# Altium PCB TEBF0808ASCII.PcbDoc (part 3 of 10)
Units mm, origin at the board's own origin, x right, y up, seen from the top; angles counter-clockwise.
Board outline 170 x 170 mm, 16 copper layers (L 01, L 02 G, L 03 S, L 04 G, L 05 S, L 06 G, L 07 P, L 08 P, L 09 P, L 10 P, L 11 G, L 12 S, L 13 G, L 14 S, L 15 G, L 16), stack 1.774 mm thick; 609 components, 869 nets, 3941 pads, 2358 vias.
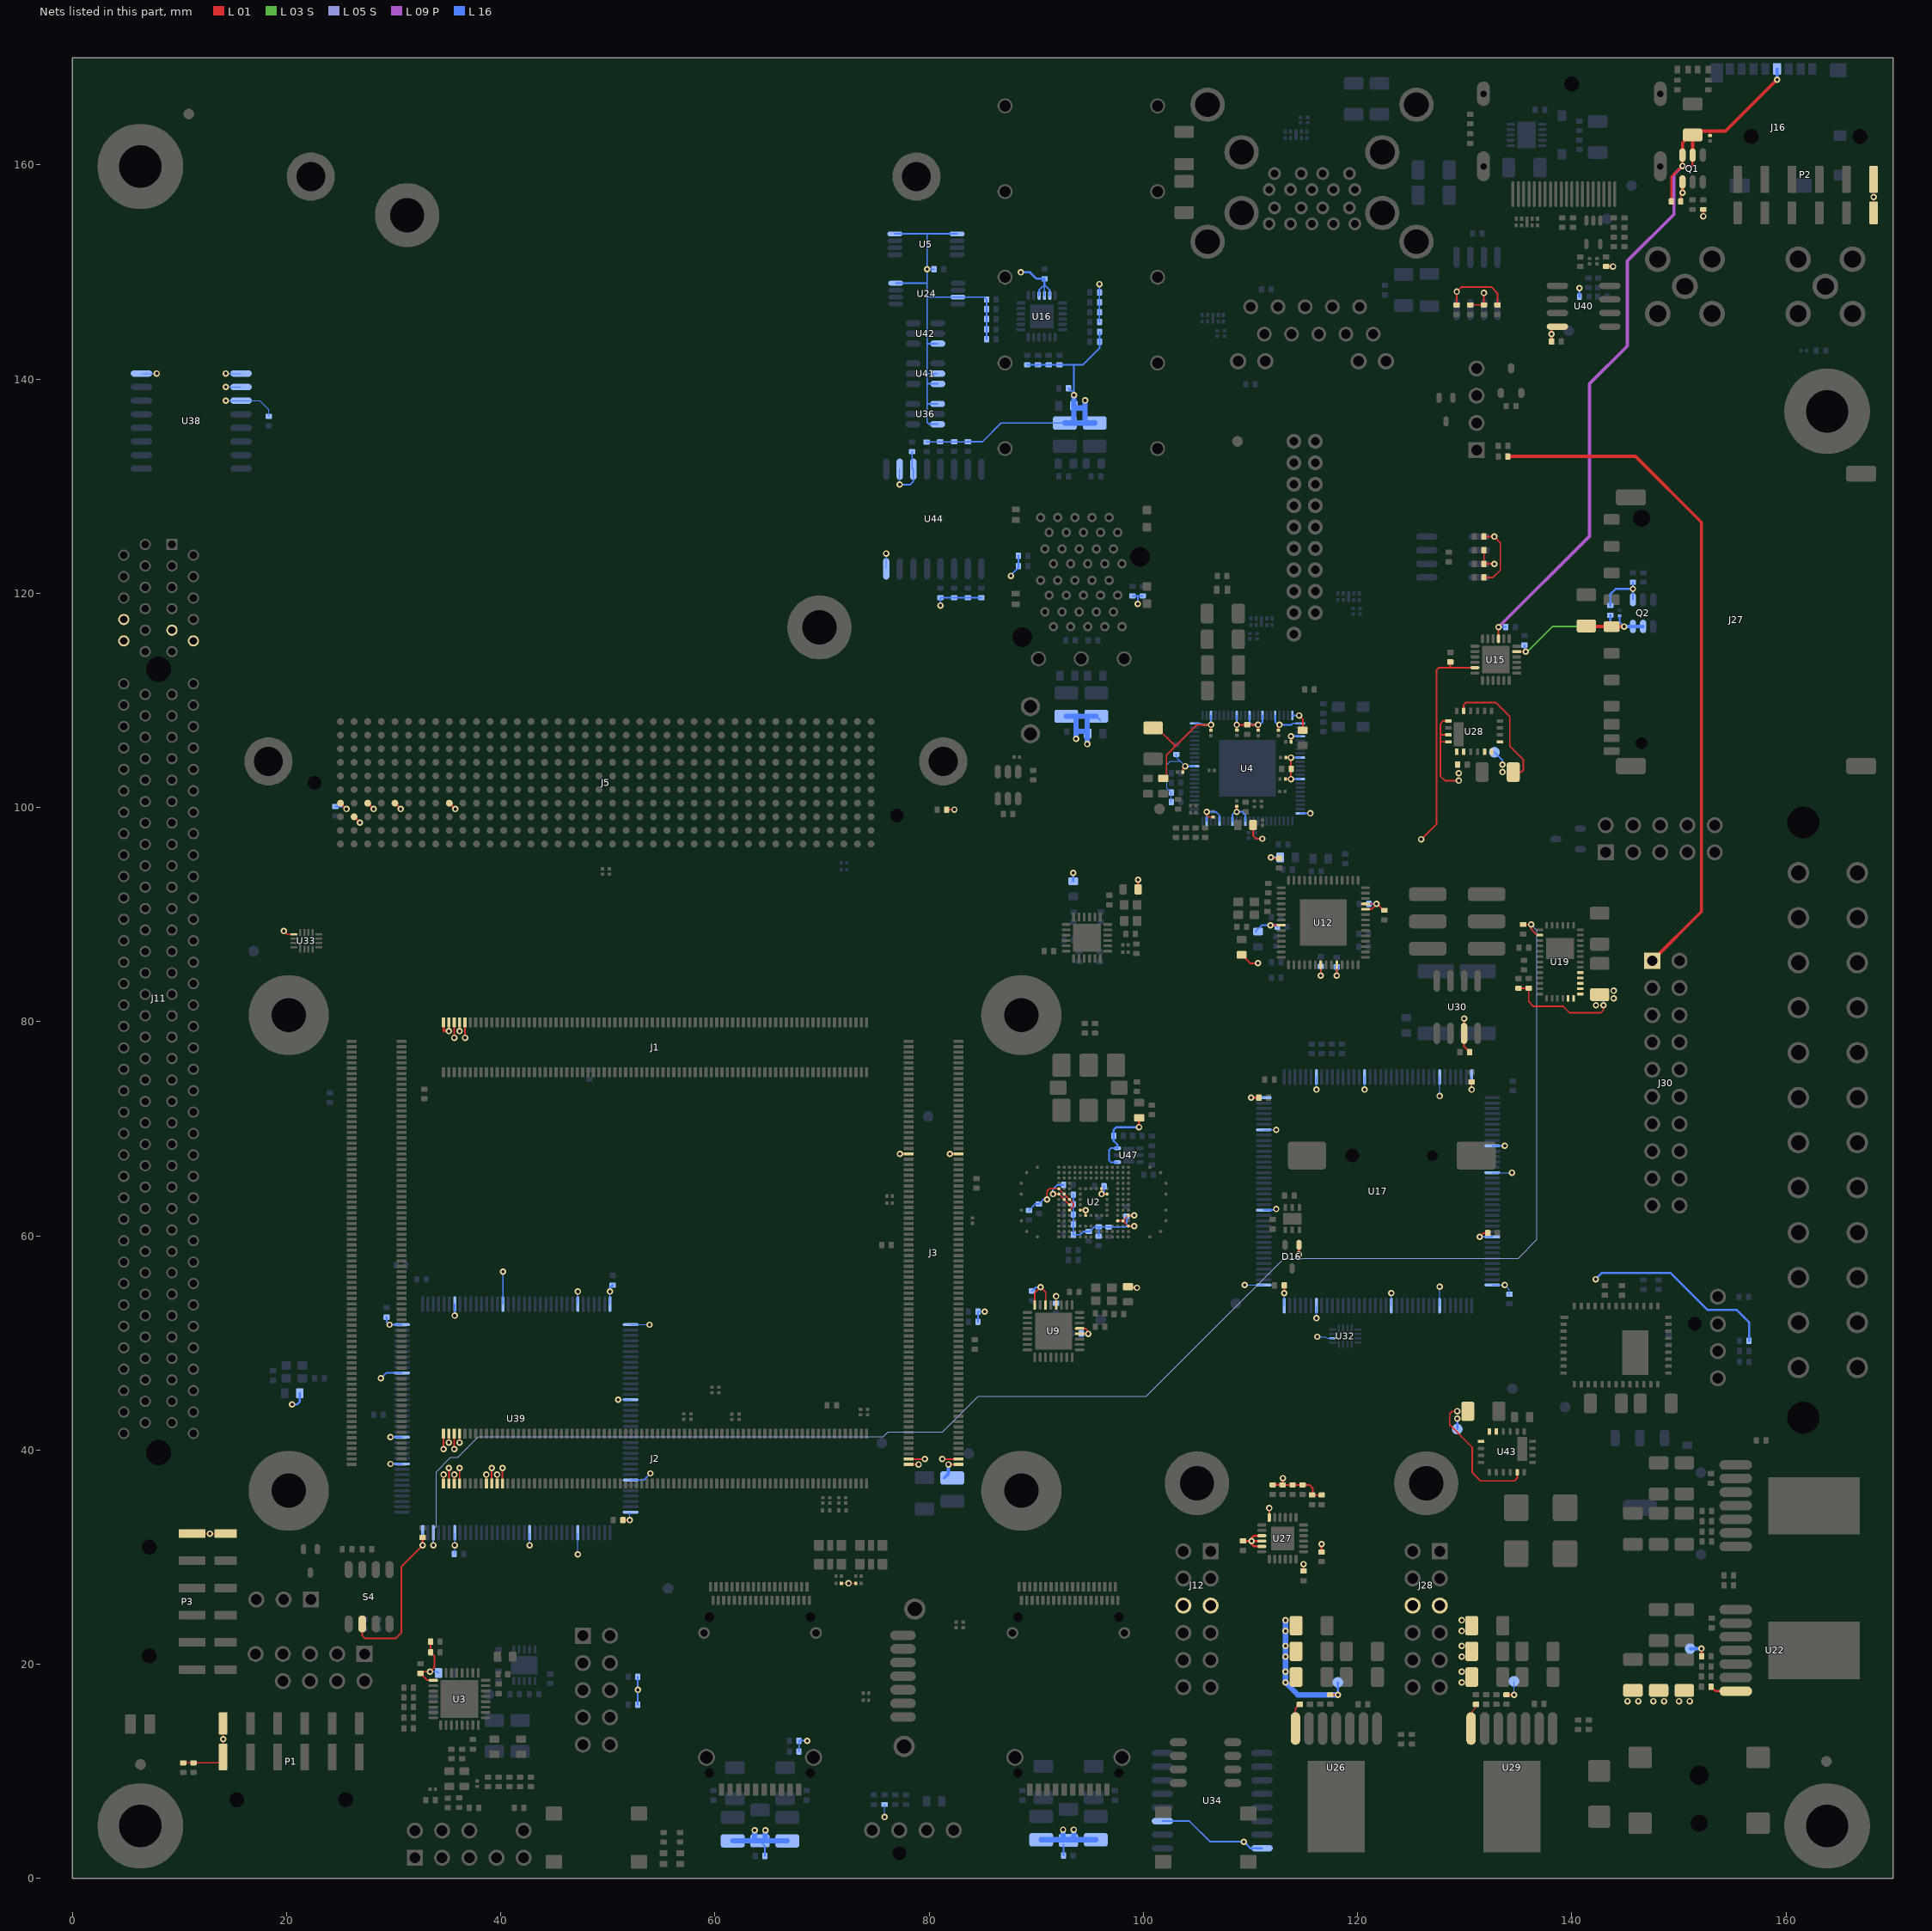
[diagram p13: the nets of this part, all layers, seen from the top]

## Footprints (in the part's own frame and the unit in brackets; to place one, negate y for a bottom-side part, rotate by r counter-clockwise, add the part's x,y. Pads: shape width x height; smd on the part's side, far side on the other; paste and mask are expansions set on the pad) (continued)
QFN40P10X10X1-89T530 [mm] "Quad Flat No-Lead (QFN with Tab), 0.40 mm pitch; square, 22 pin X 22 pin, 10.00 mm L X 10.00 mm W X 1.00 mm H body"
  rrect33% 0.86x0.22 smd: 1(-4.935,4.2) 2(-4.935,3.8) 3(-4.935,3.4) 4(-4.935,3) 5(-4.935,2.6) 6(-4.935,2.2) 7(-4.935,1.8) 8(-4.935,1.4) 9(-4.935,1) 10(-4.935,0.6) 11(-4.935,0.2) 12(-4.935,-0.2) 13(-4.935,-0.6) 14(-4.935,-1) 15(-4.935,-1.4) 16(-4.935,-1.8) 17(-4.935,-2.2) 18(-4.935,-2.6) 19(-4.935,-3) 20(-4.935,-3.4) 21(-4.935,-3.8) 22(-4.935,-4.2) 45(4.935,-4.2) 46(4.935,-3.8) 47(4.935,-3.4) 48(4.935,-3) 49(4.935,-2.6) 50(4.935,-2.2) 51(4.935,-1.8) 52(4.935,-1.4) 53(4.935,-1) 54(4.935,-0.6) 55(4.935,-0.2) 56(4.935,0.2) 57(4.935,0.6) 58(4.935,1) 59(4.935,1.4) 60(4.935,1.8) 61(4.935,2.2) 62(4.935,2.6) 63(4.935,3) 64(4.935,3.4) 65(4.935,3.8) 66(4.935,4.2)
  rrect33% 0.22x0.86 smd: 23(-4.2,-4.935) 24(-3.8,-4.935) 25(-3.4,-4.935) 26(-3,-4.935) 27(-2.6,-4.935) 28(-2.2,-4.935) 29(-1.8,-4.935) 30(-1.4,-4.935) 31(-1,-4.935) 32(-0.6,-4.935) 33(-0.2,-4.935) 34(0.2,-4.935) 35(0.6,-4.935) 36(1,-4.935) 37(1.4,-4.935) 38(1.8,-4.935) 39(2.2,-4.935) 40(2.6,-4.935) 41(3,-4.935) 42(3.4,-4.935) 43(3.8,-4.935) 44(4.2,-4.935) 67(4.2,4.935) 68(3.8,4.935) 69(3.4,4.935) 70(3,4.935) 71(2.6,4.935) 72(2.2,4.935) 73(1.8,4.935) 74(1.4,4.935) 75(1,4.935) 76(0.6,4.935) 77(0.2,4.935) 78(-0.2,4.935) 79(-0.6,4.935) 80(-1,4.935) 81(-1.4,4.935) 82(-1.8,4.935) 83(-2.2,4.935) 84(-2.6,4.935) 85(-3,4.935) 86(-3.4,4.935) 87(-3.8,4.935) 88(-4.2,4.935)
  rect 5.3x5.3 smd paste-5.3 mask+0: 89(0,0)
  silkscreen extent -5.5,-5.05 5.05,5.05
QFN40P260X180X55-16N [mm]
  rrect20% 0.75x0.2 smd: 1(-0.725,0.6)
  rrect20% 0.65x0.2 smd: 2(-0.775,0.2) 3(-0.775,-0.2) 4(-0.775,-0.6) 9(0.775,-0.6) 10(0.775,-0.2) 11(0.775,0.2) 12(0.775,0.6)
  rrect20% 0.2x0.65 smd: 5(-0.6,-1.175) 6(-0.2,-1.175) 7(0.2,-1.175) 8(0.6,-1.175) 13(0.6,1.175) 14(0.2,1.175) 15(-0.2,1.175) 16(-0.6,1.175)
  silkscreen extent -1.4,-1.3 0.9,1.3
QFN50P400X400X80-25N-255 [mm] "QFN, 24-Leads, Body 4,1x4,1mm (max), Pitch 0,50mm, IPC Medium Density"
  oval 0.85x0.3 smd: 1(-1.95,1.25) 2(-1.95,0.75) 3(-1.95,0.25) 4(-1.95,-0.25) 5(-1.95,-0.75) 6(-1.95,-1.25) 13(1.95,-1.25) 14(1.95,-0.75) 15(1.95,-0.25) 16(1.95,0.25) 17(1.95,0.75) 18(1.95,1.25)
  oval 0.3x0.85 smd: 7(-1.25,-1.95) 8(-0.75,-1.95) 9(-0.25,-1.95) 10(0.25,-1.95) 11(0.75,-1.95) 12(1.25,-1.95) 19(1.25,1.95) 20(0.75,1.95) 21(0.25,1.95) 22(-0.25,1.95) 23(-0.75,1.95) 24(-1.25,1.95)
  rect 2.55x2.55 smd: 25(0,0)
  silkscreen extent -2.55,-2.05 2.05,2.05
QFN50P400X400X90-25N [mm]
  oval 0.83x0.26 smd: 1(-1.94,1.25) 2(-1.94,0.75) 3(-1.94,0.25) 4(-1.94,-0.25) 5(-1.94,-0.75) 6(-1.94,-1.25) 13(1.94,-1.25) 14(1.94,-0.75) 15(1.94,-0.25) 16(1.94,0.25) 17(1.94,0.75) 18(1.94,1.25)
  oval 0.26x0.83 smd: 7(-1.25,-1.94) 8(-0.75,-1.94) 9(-0.25,-1.94) 10(0.25,-1.94) 11(0.75,-1.94) 12(1.25,-1.94) 19(1.25,1.94) 20(0.75,1.94) 21(0.25,1.94) 22(-0.25,1.94) 23(-0.75,1.94) 24(-1.25,1.94)
  rect 2.6x2.6 smd: 25(0,0)
  silkscreen extent -2.45,-2.06 2.06,2.06
QFN50P400X400X100-25N-220 [mm]
  oval 0.85x0.3 smd: 1(-1.95,1.25) 2(-1.95,0.75) 3(-1.95,0.25) 4(-1.95,-0.25) 5(-1.95,-0.75) 6(-1.95,-1.25) 13(1.95,-1.25) 14(1.95,-0.75) 15(1.95,-0.25) 16(1.95,0.25) 17(1.95,0.75) 18(1.95,1.25)
  oval 0.3x0.85 smd: 7(-1.25,-1.95) 8(-0.75,-1.95) 9(-0.25,-1.95) 10(0.25,-1.95) 11(0.75,-1.95) 12(1.25,-1.95) 19(1.25,1.95) 20(0.75,1.95) 21(0.25,1.95) 22(-0.25,1.95) 23(-0.75,1.95) 24(-1.25,1.95)
  rect 2.2x2.2 smd: 25(0,0)
  silkscreen extent -2.45,-2 2,2
QFN50P500X500X100-33N [mm]
  oval 0.9x0.26 smd: 1(-2.44,1.75) 2(-2.44,1.25) 3(-2.44,0.75) 4(-2.44,0.25) 5(-2.44,-0.25) 6(-2.44,-0.75) 7(-2.44,-1.25) 8(-2.44,-1.75) 17(2.44,-1.75) 18(2.44,-1.25) 19(2.44,-0.75) 20(2.44,-0.25) 21(2.44,0.25) 22(2.44,0.75) 23(2.44,1.25) 24(2.44,1.75)
  oval 0.26x0.9 smd: 9(-1.75,-2.44) 10(-1.25,-2.44) 11(-0.75,-2.44) 12(-0.25,-2.44) 13(0.25,-2.44) 14(0.75,-2.44) 15(1.25,-2.44) 16(1.75,-2.44) 25(1.75,2.44) 26(1.25,2.44) 27(0.75,2.44) 28(0.25,2.44) 29(-0.25,2.44) 30(-0.75,2.44) 31(-1.25,2.44) 32(-1.75,2.44)
  rect 3.55x3.55 smd: 33(0,0)
  silkscreen extent -2.99,-2.64 2.64,2.63
QFN50P500X500X100-33N-345 [mm]
  oval 0.9x0.26 smd: 1(-2.44,1.75) 2(-2.44,1.25) 3(-2.44,0.75) 4(-2.44,0.25) 5(-2.44,-0.25) 6(-2.44,-0.75) 7(-2.44,-1.25) 8(-2.44,-1.75) 17(2.44,-1.75) 18(2.44,-1.25) 19(2.44,-0.75) 20(2.44,-0.25) 21(2.44,0.25) 22(2.44,0.75) 23(2.44,1.25) 24(2.44,1.75)
  oval 0.26x0.9 smd: 9(-1.75,-2.44) 10(-1.25,-2.44) 11(-0.75,-2.44) 12(-0.25,-2.44) 13(0.25,-2.44) 14(0.75,-2.44) 15(1.25,-2.44) 16(1.75,-2.44) 25(1.75,2.44) 26(1.25,2.44) 27(0.75,2.44) 28(0.25,2.44) 29(-0.25,2.44) 30(-0.75,2.44) 31(-1.25,2.44) 32(-1.75,2.44)
  rect 3.45x3.45 smd: 33(0,0)
  silkscreen extent -2.99,-2.64 2.64,2.64
QFN50P800X800X100-57N [mm]
  oval 0.84x0.26 smd: 1(-3.94,3.25) 2(-3.94,2.75) 3(-3.94,2.25) 4(-3.94,1.75) 5(-3.94,1.25) 6(-3.94,0.75) 7(-3.94,0.25) 8(-3.94,-0.25) 9(-3.94,-0.75) 10(-3.94,-1.25) 11(-3.94,-1.75) 12(-3.94,-2.25) 13(-3.94,-2.75) 14(-3.94,-3.25) 29(3.94,-3.25) 30(3.94,-2.75) 31(3.94,-2.25) 32(3.94,-1.75) 33(3.94,-1.25) 34(3.94,-0.75) 35(3.94,-0.25) 36(3.94,0.25) 37(3.94,0.75) 38(3.94,1.25) 39(3.94,1.75) 40(3.94,2.25) 41(3.94,2.75) 42(3.94,3.25)
  oval 0.26x0.84 smd: 15(-3.25,-3.94) 16(-2.75,-3.94) 17(-2.25,-3.94) 18(-1.75,-3.94) 19(-1.25,-3.94) 20(-0.75,-3.94) 21(-0.25,-3.94) 22(0.25,-3.94) 23(0.75,-3.94) 24(1.25,-3.94) 25(1.75,-3.94) 26(2.25,-3.94) 27(2.75,-3.94) 28(3.25,-3.94) 43(3.25,3.94) 44(2.75,3.94) 45(2.25,3.94) 46(1.75,3.94) 47(1.25,3.94) 48(0.75,3.94) 49(0.25,3.94) 50(-0.25,3.94) 51(-0.75,3.94) 52(-1.25,3.94) 53(-1.75,3.94) 54(-2.25,3.94) 55(-2.75,3.94) 56(-3.25,3.94)
  rect 4.37x4.37 smd: 57(0,0)
  silkscreen extent -4.6,-4.06 4.06,4.06
QFP50P2200X2200X160-144N [mm]
  oval 1.47x0.28 smd: 1(-10.67,8.75) 2(-10.67,8.25) 3(-10.67,7.75) 4(-10.67,7.25) 5(-10.67,6.75) 6(-10.67,6.25) 7(-10.67,5.75) 8(-10.67,5.25) 9(-10.67,4.75) 10(-10.67,4.25) 11(-10.67,3.75) 12(-10.67,3.25) 13(-10.67,2.75) 14(-10.67,2.25) 15(-10.67,1.75) 16(-10.67,1.25) 17(-10.67,0.75) 18(-10.67,0.25) 19(-10.67,-0.25) 20(-10.67,-0.75) 21(-10.67,-1.25) 22(-10.67,-1.75) 23(-10.67,-2.25) 24(-10.67,-2.75) 25(-10.67,-3.25) 26(-10.67,-3.75) 27(-10.67,-4.25) 28(-10.67,-4.75) 29(-10.67,-5.25) 30(-10.67,-5.75) 31(-10.67,-6.25) 32(-10.67,-6.75) 33(-10.67,-7.25) 34(-10.67,-7.75) 35(-10.67,-8.25) 36(-10.67,-8.75) 73(10.67,-8.75) 74(10.67,-8.25) 75(10.67,-7.75) 76(10.67,-7.25) 77(10.67,-6.75) 78(10.67,-6.25) 79(10.67,-5.75) 80(10.67,-5.25) 81(10.67,-4.75) 82(10.67,-4.25) 83(10.67,-3.75) 84(10.67,-3.25) 85(10.67,-2.75) 86(10.67,-2.25) 87(10.67,-1.75) 88(10.67,-1.25) 89(10.67,-0.75) 90(10.67,-0.25) 91(10.67,0.25) 92(10.67,0.75) 93(10.67,1.25) 94(10.67,1.75) 95(10.67,2.25) 96(10.67,2.75) 97(10.67,3.25) 98(10.67,3.75) 99(10.67,4.25) 100(10.67,4.75) 101(10.67,5.25) 102(10.67,5.75) 103(10.67,6.25) 104(10.67,6.75) 105(10.67,7.25) 106(10.67,7.75) 107(10.67,8.25) 108(10.67,8.75)
  oval 0.28x1.47 smd: 37(-8.75,-10.67) 38(-8.25,-10.67) 39(-7.75,-10.67) 40(-7.25,-10.67) 41(-6.75,-10.67) 42(-6.25,-10.67) 43(-5.75,-10.67) 44(-5.25,-10.67) 45(-4.75,-10.67) 46(-4.25,-10.67) 47(-3.75,-10.67) 48(-3.25,-10.67) 49(-2.75,-10.67) 50(-2.25,-10.67) 51(-1.75,-10.67) 52(-1.25,-10.67) 53(-0.75,-10.67) 54(-0.25,-10.67) 55(0.25,-10.67) 56(0.75,-10.67) 57(1.25,-10.67) 58(1.75,-10.67) 59(2.25,-10.67) 60(2.75,-10.67) 61(3.25,-10.67) 62(3.75,-10.67) 63(4.25,-10.67) 64(4.75,-10.67) 65(5.25,-10.67) 66(5.75,-10.67) 67(6.25,-10.67) 68(6.75,-10.67) 69(7.25,-10.67) 70(7.75,-10.67) 71(8.25,-10.67) 72(8.75,-10.67) 109(8.75,10.67) 110(8.25,10.67) 111(7.75,10.67) 112(7.25,10.67) 113(6.75,10.67) 114(6.25,10.67) 115(5.75,10.67) 116(5.25,10.67) 117(4.75,10.67) 118(4.25,10.67) 119(3.75,10.67) 120(3.25,10.67) 121(2.75,10.67) 122(2.25,10.67) 123(1.75,10.67) 124(1.25,10.67) 125(0.75,10.67) 126(0.25,10.67) 127(-0.25,10.67) 128(-0.75,10.67) 129(-1.25,10.67) 130(-1.75,10.67) 131(-2.25,10.67) 132(-2.75,10.67) 133(-3.25,10.67) 134(-3.75,10.67) 135(-4.25,10.67) 136(-4.75,10.67) 137(-5.25,10.67) 138(-5.75,10.67) 139(-6.25,10.67) 140(-6.75,10.67) 141(-7.25,10.67) 142(-7.75,10.67) 143(-8.25,10.67) 144(-8.75,10.67)
  silkscreen extent -10.8,-10 10,10.8
RESC0603X26N [mm]
  rrect33% 0.32x0.4 smd: 1(-0.33,0) 2(0.33,0)
RESC1005X40N [mm] "Vishay D0402 1 x 0.5mm (+/- 0.05), 0.2mm +/-0.1mm Kontakte"
  rrect33% 0.48x0.6 smd: 1(-0.445,0) 2(0.445,0)
RESC3216X65N [mm] "Vishay D1206 3.2 x 1.6 (+/- 0.15), 0.2mm - 0.6mm Kontakte"
  rrect20% 1.1x1.8 smd: 1(-1.5,0) 2(1.5,0)
  silkscreen extent -0.55,-0.9 0.55,0.9
RESC6332X80N [mm]
  rrect20% 1.3x3.35 smd: 1(-2.9,0) 2(2.9,0)
  silkscreen extent -2.07,-1.7 2.07,1.7
SDA-44206-0001 [mm]
  round 2 hole 1.4: 1(23.1,-2.75) 2(18.9,-2.75) 3(14.7,-2.75) 4(10.5,-2.75) 5(6.3,-2.75) 6(2.1,-2.75) 7(-2.1,-2.75) 8(-6.3,-2.75) 9(-10.5,-2.75) 10(-14.7,-2.75) 11(-18.9,-2.75) 12(-23.1,-2.75) 13(23.1,2.75) 14(18.9,2.75) 15(14.7,2.75) 16(10.5,2.75) 17(6.3,2.75) 18(2.1,2.75) 19(-2.1,2.75) 20(-6.3,2.75) 21(-10.5,2.75) 22(-14.7,2.75) 23(-18.9,2.75) 24(-23.1,2.75)
  round 0 hole 3 unplated: PEG1(-27.8,2.29) PEG2(27.8,2.29)
  silkscreen extent -25.8,-5 27.7,4.6
Serial_6.3x6.3mm [mm]
  silkscreen extent -3.3,-3.3 3.3,3.3
SMA-R125426000 [mm] "SMA Straight Socket"
  round 2.4 hole 1.6: 1(0,0) 2(-2.54,2.54) 3(-2.54,-2.54) 4(2.54,-2.54) 5(2.54,2.54)
  silkscreen extent -3.5,-3.5 3.5,3.5
SMD-254-9132-14-6 [mm]
  rrect50% 1.3x3.5 smd: 1(-2.54,-2.75) 2(-2.54,2.75) 3(0,-2.75) 4(0,2.75) 5(2.54,-2.75) 6(2.54,2.75)
  silkscreen extent -3.95,-3.9 3.81,2.5
SOD3816X120N [mm]
  rrect20% 1x0.8 smd: 1(-1.8,0) 2(1.8,0)
  silkscreen extent -2,-0.9 1.43,1
SOIC127P600X175-8N [mm] "SOIC, 8-Leads, Body 5,0x4,0mm (max), Pitch 1,27mm, IPC Medium Density"
  oval 2x0.6 smd: 1(-2.45,1.905) 2(-2.45,0.635) 3(-2.45,-0.635) 4(-2.45,-1.905) 5(2.45,-1.905) 6(2.45,-0.635) 7(2.45,0.635) 8(2.45,1.905)
  silkscreen extent -2.57,-2.5 1,2.78
SOIC127P1030X265-16N [mm]
  oval 2x0.6 smd: 1(-4.65,4.445) 2(-4.65,3.175) 3(-4.65,1.905) 4(-4.65,0.635) 5(-4.65,-0.635) 6(-4.65,-1.905) 7(-4.65,-3.175) 8(-4.65,-4.445) 9(4.65,-4.445) 10(4.65,-3.175) 11(4.65,-1.905) 12(4.65,-0.635) 13(4.65,0.635) 14(4.65,1.905) 15(4.65,3.175) 16(4.65,4.445)
  silkscreen extent -4.85,-5.25 3.5,5.49
SON50P300X300X100-11N-TI [mm]
  oval 0.79x0.26 smd: 1(-1.47,1) 2(-1.47,0.5) 3(-1.47,0) 4(-1.47,-0.5) 5(-1.47,-1) 6(1.47,-1) 7(1.47,-0.5) 8(1.47,0) 9(1.47,0.5) 10(1.47,1)
  rect 1.75x2.5 smd: 11(0,0)
  silkscreen extent -2,-1.61 1.61,1.61
SON65P200X200X80-7N [mm]
  rrect20% 0.61x0.32 smd: 1(-1.055,0.65) 2(-1.055,0) 3(-1.055,-0.65) 4(1.055,-0.65) 5(1.055,0) 6(1.055,0.65)
  rect 1.1x1.7 smd: 7(0,0)
  silkscreen extent -1.42,-1.11 0.99,1.2
SON65P200X210X80-7N-TI [mm] "SOJ, 6-Leads, Body 1,1x2,1mm (max), Pitch 0,65mm, IPC Low Density"
  oval 0.7x0.35 smd: 1(-1.05,0.65) 2(-1.05,0) 3(-1.05,-0.65) 4(1.05,-0.65) 5(1.05,0) 6(1.05,0.65)
  rect 1x1.6 smd: 7(0,0)
  silkscreen extent -1.44,-1.05 1,1.21
SOP65P640X120-8N-MC [mm]
  oval 1.4x0.45 smd: 1(-2.9,0.975) 2(-2.9,0.325) 3(-2.9,-0.325) 4(-2.9,-0.975) 5(2.9,-0.975) 6(2.9,-0.325) 7(2.9,0.325) 8(2.9,0.975)
  silkscreen extent -3.03,-1.55 1.8,1.77
SOT65P210X110-3N [mm] "SOT23, 3-Leads, Body 2,2x2,4mm (max), Pitch 0,65mm, IPC Medium Density"
  oval 0.95x0.5 smd: 1(-1.1,0.65) 2(-1.1,-0.65) 3(1.1,0)
  silkscreen extent -1.22,-1.1 0.67,1.38
SOT65P210X110-5N [mm]
  oval 0.95x0.4 smd: 1(-1.1,0.65) 2(-1.1,0) 3(-1.1,-0.65) 4(1.1,-0.65) 5(1.1,0.65)
  silkscreen extent -1.25,-1.1 0.25,1.25
SOT95P230X109-3N [mm] "SOT23, 3-Leads, Body 3,0x2,5mm (max), Pitch 0,95mm, IPC Medium Density"
  oval 0.95x0.6 smd: 1(-1.15,0.95) 2(-1.15,-0.95) 3(1.15,0)
  silkscreen extent -1.27,-1.5 0.3,1.75
SOT95P237X112-3N [mm]
  oval 1.05x0.6 smd: 1(-1.15,0.95) 2(-1.15,-0.95) 3(1.15,0)
  silkscreen extent -1.28,-1.5 0.7,1.75
SOT95P280X110-6N [mm]
  oval 1.25x0.59 smd: 1(-1.255,0.95) 2(-1.255,0) 3(-1.255,-0.95) 4(1.255,-0.95) 5(1.255,0) 6(1.255,0.95)
  silkscreen extent -1.41,-1.53 0.87,1.9
SOT95P280X145-6N [mm]
  oval 1.4x0.6 smd: 1(-1.15,0.95) 2(-1.15,0) 3(-1.15,-0.95) 4(1.15,-0.95) 5(1.15,0) 6(1.15,0.95)
  silkscreen extent -1.5,-1.53 0.87,1.8
SOT230P700X180-4N [mm] "SOT223, 4-Leads, Body 6,7x7,3mm (max), Pitch 2,30mm, IPC Medium Density"
  rrect50% 1.51x0.89 smd: 1(-3.25,2.3) 2(-3.25,0) 3(-3.25,-2.3)
  rrect50% 1.51x3.19 smd: 4(3.25,0)
  silkscreen extent -3.45,-3.35 1.85,3.45
SS5-80-3.50-L-D-K-TR [mm]
  rrect20% 0.3x0.93 smd mask+0: 1(-19.75,-2.335) 2(-19.75,2.335) 3(-19.25,-2.335) 4(-19.25,2.335) 5(-18.75,-2.335) 6(-18.75,2.335) 7(-18.25,-2.335) 8(-18.25,2.335) 9(-17.75,-2.335) 10(-17.75,2.335) 11(-17.25,-2.335) 12(-17.25,2.335) 13(-16.75,-2.335) 14(-16.75,2.335) 15(-16.25,-2.335) 16(-16.25,2.335) 17(-15.75,-2.335) 18(-15.75,2.335) 19(-15.25,-2.335) 20(-15.25,2.335) 21(-14.75,-2.335) 22(-14.75,2.335) 23(-14.25,-2.335) 24(-14.25,2.335) 25(-13.75,-2.335) 26(-13.75,2.335) 27(-13.25,-2.335) 28(-13.25,2.335) 29(-12.75,-2.335) 30(-12.75,2.335) 31(-12.25,-2.335) 32(-12.25,2.335) 33(-11.75,-2.335) 34(-11.75,2.335) 35(-11.25,-2.335) 36(-11.25,2.335) 37(-10.75,-2.335) 38(-10.75,2.335) 39(-10.25,-2.335) 40(-10.25,2.335) 41(-9.75,-2.335) 42(-9.75,2.335) 43(-9.25,-2.335) 44(-9.25,2.335) 45(-8.75,-2.335) 46(-8.75,2.335) 47(-8.25,-2.335) 48(-8.25,2.335) 49(-7.75,-2.335) 50(-7.75,2.335) 51(-7.25,-2.335) 52(-7.25,2.335) 53(-6.75,-2.335) 54(-6.75,2.335) 55(-6.25,-2.335) 56(-6.25,2.335) 57(-5.75,-2.335) 58(-5.75,2.335) 59(-5.25,-2.335) 60(-5.25,2.335) 61(-4.75,-2.335) 62(-4.75,2.335) 63(-4.25,-2.335) 64(-4.25,2.335) 65(-3.75,-2.335) 66(-3.75,2.335) 67(-3.25,-2.335) 68(-3.25,2.335) 69(-2.75,-2.335) 70(-2.75,2.335) 71(-2.25,-2.335) 72(-2.25,2.335) 73(-1.75,-2.335) 74(-1.75,2.335) 75(-1.25,-2.335) 76(-1.25,2.335) 77(-0.75,-2.335) 78(-0.75,2.335) 79(-0.25,-2.335) 80(-0.25,2.335) 81(0.25,-2.335) 82(0.25,2.335) 83(0.75,-2.335) 84(0.75,2.335) 85(1.25,-2.335) 86(1.25,2.335) 87(1.75,-2.335) 88(1.75,2.335) 89(2.25,-2.335) 90(2.25,2.335) 91(2.75,-2.335) 92(2.75,2.335) 93(3.25,-2.335) 94(3.25,2.335) 95(3.75,-2.335) 96(3.75,2.335) 97(4.25,-2.335) 98(4.25,2.335) 99(4.75,-2.335) 100(4.75,2.335) 101(5.25,-2.335) 102(5.25,2.335) 103(5.75,-2.335) 104(5.75,2.335) 105(6.25,-2.335) 106(6.25,2.335) 107(6.75,-2.335) 108(6.75,2.335) 109(7.25,-2.335) 110(7.25,2.335) 111(7.75,-2.335) 112(7.75,2.335) 113(8.25,-2.335) 114(8.25,2.335) 115(8.75,-2.335) 116(8.75,2.335) 117(9.25,-2.335) 118(9.25,2.335) 119(9.75,-2.335) 120(9.75,2.335) 121(10.25,-2.335) 122(10.25,2.335) 123(10.75,-2.335) 124(10.75,2.335) 125(11.25,-2.335) 126(11.25,2.335) 127(11.75,-2.335) 128(11.75,2.335) 129(12.25,-2.335) 130(12.25,2.335) 131(12.75,-2.335) 132(12.75,2.335) 133(13.25,-2.335) 134(13.25,2.335) 135(13.75,-2.335) 136(13.75,2.335) 137(14.25,-2.335) 138(14.25,2.335) 139(14.75,-2.335) 140(14.75,2.335) 141(15.25,-2.335) 142(15.25,2.335) 143(15.75,-2.335) 144(15.75,2.335) 145(16.25,-2.335) 146(16.25,2.335) 147(16.75,-2.335) 148(16.75,2.335) 149(17.25,-2.335) 150(17.25,2.335) 151(17.75,-2.335) 152(17.75,2.335) 153(18.25,-2.335) 154(18.25,2.335) 155(18.75,-2.335) 156(18.75,2.335) 157(19.25,-2.335) 158(19.25,2.335) 159(19.75,-2.335) 160(19.75,2.335)
  silkscreen extent -21.98,-2.93 21.57,2.17
"STIFTLEISTE2_54 OG 1R-4" [mm]
  rect 1.5x1.5 hole 1: 1(3.81,0)
  round 1.5 hole 1: 2(1.27,0) 3(-1.27,0) 4(-3.81,0)
  silkscreen extent -5.08,-1.27 6.16,1.27
TE0790-Base [mm]
  rect 1.5x1.5 hole 1: 1(1.27,6.35)
  round 1.5 hole 1: 2(-1.27,6.35) 3(1.27,3.81) 4(-1.27,3.81) 5(1.27,1.27) 6(-1.27,1.27) 7(1.27,-1.27) 8(-1.27,-1.27) 9(1.27,-3.81) 10(-1.27,-3.81) 11(1.27,-6.35) 12(-1.27,-6.35)
  round 6 hole 3.2: H1(0,12.7)
  silkscreen extent -2.54,-7.62 3.27,7.62
TE_76x52mm_Snap [mm]
  round 7.5 hole 3.2: 1(-22.2,-34.2) 2(-22.2,34.2) 3(22.2,34.2) 4(22.2,-34.2)
TP_1mm [mm]
  round 1 smd paste-1: 1(0,0)
  silkscreen extent -0.75,-0.75 0.75,0.75
TraceabilityPad [mm]
  rect 1x1.8 smd: 1(-0.9,0) 2(0.9,0)
  silkscreen extent -1.6,-1.1 1.6,1.1
TSLP-9-1 [mm]
  rect 0.38x0.3 smd: 1(-0.31,1) 2(-0.31,0.5) 4(-0.31,-0.5) 5(-0.31,-1) 6(0.31,-1) 7(0.31,-0.5) 8(0.31,0.5) 9(0.31,1)
  rect 1x0.3 smd: 3(0,0)
  silkscreen extent -0.8,-1.15 0.68,1.15
UCC8-010-1-X-S-1-A [mm]
  rect 0.5x1.14 smd mask+0: 1(-3.6,-1.56) 2(-2.8,-1.56) 3(-2,-1.56) 4(-1.2,-1.56) 5(-0.4,-1.56) 6(0.4,-1.56) 7(1.2,-1.56) 8(2,-1.56) 9(2.8,-1.56) 10(3.6,-1.56)
  round 1.6 hole 1.2: F1(-5,1.45) F2(5,1.45)
  round 0 hole 0.89 unplated: MH1(-4.725,0) MH2(4.725,0)
  silkscreen extent -6.12,-2.5 6.12,4.2
UEC5-019-1-X-D-RA-1-A [mm] "UEC5-019-1-X-D-RA-1-A"
  rect 0.3x0.85 smd mask+0: A1(-4.615,2.825) A2(-4.115,2.825) A3(-3.615,2.825) A4(-3.115,2.825) A5(-2.615,2.825) A6(-2.115,2.825) A7(-1.615,2.825) A8(-1.115,2.825) A9(-0.615,2.825) A10(-0.115,2.825) A11(0.385,2.825) A12(0.885,2.825) A13(1.385,2.825) A14(1.885,2.825) A15(2.385,2.825) A16(2.885,2.825) A17(3.385,2.825) A18(3.885,2.825) A19(4.385,2.825) B1(-4.385,1.575) B2(-3.885,1.575) B3(-3.385,1.575) B4(-2.885,1.575) B5(-2.385,1.575) B6(-1.885,1.575) B7(-1.385,1.575) B8(-0.885,1.575) B9(-0.385,1.575) B10(0.115,1.575) B11(0.615,1.575) B12(1.115,1.575) B13(1.615,1.575) B14(2.115,1.575) B15(2.615,1.575) B16(3.115,1.575) B17(3.615,1.575) B18(4.115,1.575) B19(4.615,1.575)
  round 1.1 hole 0.7: F1(-5.225,-1.48) F2(5.225,-1.48)
  round 0 hole 0.89 unplated: MH1(-4.725,0) MH2(4.725,0)
  silkscreen extent -6.12,-4.05 6.12,4.15
"WANNE2,54-10 GERADE" [mm] "Connector; IDC, Low Profile Male Header, Thru-Hole; 10 Position; Vertical; Pitch 2.54 mm; Body 20.32 x 9.2 x 9.45 mm (LxWxH)"
  rect 1.5x1.5 hole 1: 1(-5.08,-1.27)
  round 1.5 hole 1: 2(-5.08,1.27) 3(-2.54,-1.27) 4(-2.54,1.27) 5(0,-1.27) 6(0,1.27) 7(2.54,-1.27) 8(2.54,1.27) 9(5.08,-1.27) 10(5.08,1.27)
  silkscreen extent -10.16,-5.25 10.16,4.45
"WANNE2,54-20 GERADE" [mm] "Connector; IDC, Low Profile Male Header, Thru-Hole; 20 Position; Vertical; Pitch 2.54 mm; Body 33.02 x 9.2 x 9.45 mm (LxWxH)"
  rect 1.5x1.5 hole 1: 1(-11.43,-1.27)
  round 1.5 hole 1: 2(-11.43,1.27) 3(-8.89,-1.27) 4(-8.89,1.27) 5(-6.35,-1.27) 6(-6.35,1.27) 7(-3.81,-1.27) 8(-3.81,1.27) 9(-1.27,-1.27) 10(-1.27,1.27) 11(1.27,-1.27) 12(1.27,1.27) 13(3.81,-1.27) 14(3.81,1.27) 15(6.35,-1.27) 16(6.35,1.27) 17(8.89,-1.27) 18(8.89,1.27) 19(11.43,-1.27) 20(11.43,1.27)
  silkscreen extent -17.6,-4.45 16.51,4.45
WANNE2mm2R-19_Intel_USB [mm]
  round 1.4 hole 0.8: 1(-9,1) 2(-7,1) 3(-5,1) 4(-3,1) 5(-1,1) 6(1,1) 7(3,1) 8(5,1) 9(7,1) 10(9,1) 11(9,-1) 12(7,-1) 13(5,-1) 14(3,-1) 15(1,-1) 16(-1,-1) 17(-3,-1) 18(-5,-1) 19(-7,-1)
  silkscreen extent -11.51,-3.55 11.51,4.95
